# Allegro board RK3588S_Tablet_Demo_LP4XD200P232SD10H2_V11_20220218.brd (continued)
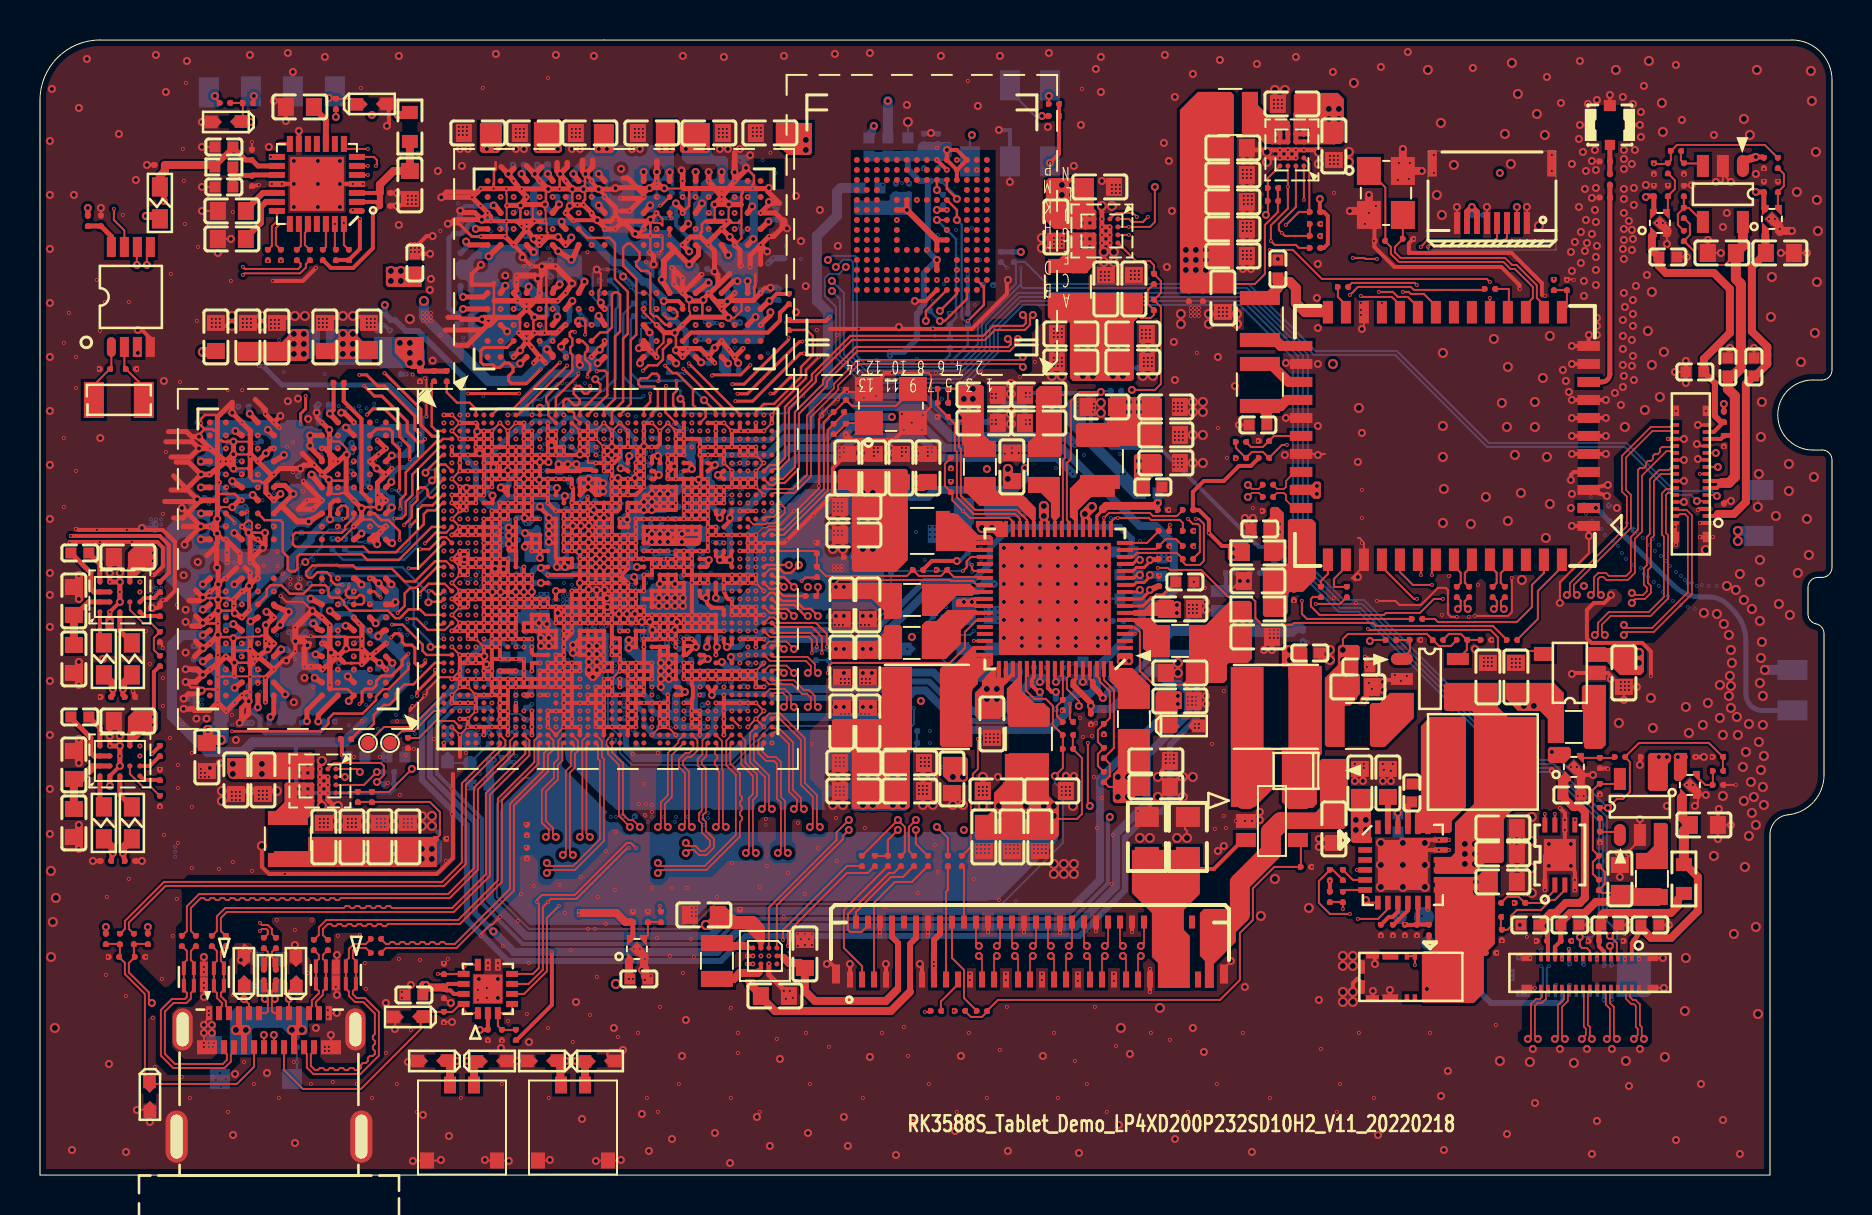
[diagram p0: board, top side]
## Copper pours and planes (outline as drawn; the poured copper is in the pictures) (continued)
VCC_SYSIN on TOP (solid shape): 64.09,24.92 64.09,24.92 64.09,21.44 64.09,21.44 64.09,21.05 63.84,20.8 63.84,18.55 63.64,18.35 62.39,18.35 62.09,18.65 62.09,21.38 62.42,21.38 62.42,25.38 62.49,25.45 64.09,25.45
VCC_SYSIN on TOP (solid shape): 81.54,21 81.54,20.9 81.54,20.7 81.39,20.55 81.39,19.3 81.29,19.2 80.49,19.2 80.39,19.3 80.39,21 80.49,21.1 81.44,21.1
VCC_SYSIN on TOP (solid shape): 63.37,26.33 63.37,25.72 63.39,25.72 63.39,25.55 63.49,25.45 63.99,25.45 64.09,25.35 64.09,24.8 62.42,24.8 62.42,25.43 62.09,25.43 62.09,26.25 62.14,26.3 62.15,26.31 62.34,26.5 63.19,26.5
VCC_SYSIN on TOP (solid shape): 47.65,25.26 47.76,25.28 47.82,25.19 47.82,24.87 48.36,24.87 48.46,24.8 48.43,24.69 48.19,24.45 48.19,23 47.99,22.8 46.89,22.8 46.75,22.95 46.75,24.11 47.09,24.45 47.09,24.7
VCC_SYSIN on TOP (solid shape): 72.89,23.4 73.39,22.9 74.79,22.9 74.89,22.8 74.89,18.4 74.79,18.3 74.59,18.31 74.55,18.3 73.69,18.3 73.35,17.96 73.29,17.96 73.29,17.9 73.19,17.8 73.19,16.75 73.19,16.7 73.19,16.66 73.19,15.7 73.09,15.6 72.24,15.6 71.9,15.26 71.89,15.25 71.7,15.06 69.74,15.06 69.74,15.9 70.54,15.9 70.74,16.1 70.74,17.14 70.75,17.14 70.75,17.61 71.39,18.25 71.45,18.25 71.45,18.31 71.69,18.55 71.69,23.1 71.59,23.2 70.29,23.2 70.19,23.3 70.19,24.5 70.29,24.6 72.89,24.6
VCC_SYSIN on BOTTOM (solid shape): 46.79,28.8 46.79,27.7 46.59,27.5 45.79,27.5 45.59,27.7 45.59,28.8 45.69,28.9 46.69,28.9
VCC_SYSIN on POWER05: 57.09,20.3 57.09,9.75 21.54,9.75 13.94,17.35 13.94,21.35 6.44,21.35 6.44,31.55 2.34,31.55 2.34,14.75 4.84,14.75 4.84,6.05 4.99,5.9 73.29,5.9 73.29,11.85 81.49,11.85 81.49,23.35 73.99,23.35 69.24,28.1 69.24,53.55 50.79,53.55 50.79,48.75 61.39,48.75 61.39,36.1 44.79,36.1 43.54,34.85 43.54,20.65 44.49,19.7 49.69,19.7 50.29,20.3
VCCIO_FLASH on BOTTOM (solid shape): 45.59,51.55 45.59,50.95 45.34,50.7 43.39,50.7 43.39,51.2 43.79,51.2 43.89,51.3 43.89,51.5 44.04,51.65 45.49,51.65
VCCIO_WL on TOP (solid shape): 62.19,33.1 62.19,30.9 61.99,30.7 61.19,30.7 61.19,32.6 61.49,32.9 61.49,33.3 61.59,33.4 61.89,33.4
VCCIO_WL on TOP (solid shape): 64.04,34.6 64.04,33.9 63.94,33.8 63.69,33.8 63.49,34 62.49,34 62.49,34.5 62.59,34.5 62.59,34.52 63.58,34.52 63.74,34.68 63.97,34.68
VDD2_DDR_S3 on TOP (solid shape): 28.69,51.2 28.59,51.1 27.79,51.1 27.69,51.2 27.69,52.55 28.69,52.55
VDD2_DDR_S3 on TOP (solid shape): 31.74,51.2 31.64,51.1 30.94,51.1 30.79,51.25 30.79,52.7 31.74,52.7
VDD2_DDR_S3 on TOP (solid shape): 13.44,42.15 13.44,40.85 13.29,40.7 9.89,40.7 9.89,41.65 12.09,41.65 12.74,42.3 13.29,42.3
VDD2_DDR_S3 on TOP (solid shape): 47.19,39.4 47.19,37 47.49,36.7 47.79,36.7 47.79,35.9 46.39,35.9 46.39,36.25 46.09,36.55 46.09,37.9 45.89,38.1 45.89,39.4 45.99,39.5 47.09,39.5
VDD2_DDR_S3 on BOTTOM (solid shape): 13.99,41.2 13.59,40.8 12.49,40.8 12.39,40.9 12.39,42.15 12.54,42.3 13.99,42.3
VDD2_DDR_S3 on BOTTOM (solid shape): 27.29,40.9 27.79,40.9 27.99,40.7 27.99,40.45 27.74,40.2 26.69,40.2 26.69,41 27.19,41
VDD2_DDR_S3 on BOTTOM (solid shape): 27.09,45.9 27.09,44.9 26.73,44.9 26.73,44.91 26.6,44.93 26.48,44.91 26.47,44.9 26.34,44.9 26.14,44.7 26.14,44.5 25.84,44.5 25.84,44.84 25.86,44.92 25.84,45.01 25.84,45.65 25.86,45.73 25.84,45.82 25.84,46.3 26.69,46.3
VDD2_DDR_S3 on BOTTOM (solid shape): outline of 191 points within 11.84,27.35 17.94,29.65
VDD2_DDR_S3 on BOTTOM (solid shape): outline of 520 points within 26.59,44.05 33.64,51.5
VDD2_DDR_S3 on BOTTOM (solid shape): outline of 825 points within 6.24,28.1 17.74,35.15
VDD2_DDR_S3 on S06: 42.54,40.1 44.74,37.9 48.59,37.9 48.79,38.1 48.79,44.5 43.79,49.5 37.99,49.5 35.39,52.1 12.09,52.1 8.69,48.7 8.69,35.15 7.49,33.95 7.49,23.6 9.09,22 13.79,22 14.49,22.7 14.49,23.55 18.39,27.45 18.39,32.85 14.79,36.45 14.79,45.7 14.84,45.75 20.99,45.75 20.99,42.95 23.84,40.1
VDD_CPU_BIG0_S0 on TOP (solid shape): 55.14,43.1 54.69,42.65 54.69,39.8 54.59,39.7 51.64,39.7 51.49,39.85 51.5,39.95 51.49,40 51.49,41.31 51.5,41.35 51.49,41.4 51.49,42.6 51.39,42.7 50.59,42.7 50.39,42.9 50.39,44 50.49,44.1 52.41,44.1 55.14,44.1
VDD_CPU_BIG0_S0 on BOTTOM (solid shape): 54.49,41.4 54.49,39.9 54.29,39.7 51.99,39.7 51.79,39.9 51.79,41.4 51.99,41.6 54.29,41.6
VDD_CPU_BIG0_S0 on BOTTOM (solid shape): 32.79,34.4 32.79,34.3 32.62,34.13 32.07,34.13 31.59,33.65 31.59,33.4 31.29,33.1 31.14,33.11 30.94,33.11 30.74,33.11 30.54,33.11 30.51,33.1 30.29,33.1 30.19,33 30.19,31.85 30.09,31.75 29.04,31.75 29.04,32.88 29.07,32.88 29.07,32.98 29.19,33.1 29.29,33.1 29.59,33.1 29.69,33.2 29.7,33.4 29.69,33.44 29.69,34.1 29.79,34.2 29.93,34.2 30.19,34.2 30.44,34.45 30.64,34.45 30.84,34.45 30.89,34.5 32.69,34.5
VDD_CPU_BIG0_S0 on GND02 (solid shape): 31.89,33.75 31.89,33.35 31.64,33.1 30.04,33.1 30.04,33.75 30.49,34.2 31.44,34.2
VDD_CPU_BIG0_S0 on S03 (solid shape): 31.89,33.75 31.89,33.1 30.04,33.1 30.04,33.75 30.49,34.2 31.44,34.2
VDD_CPU_BIG0_S0 on S08 (solid shape): 31.99,33.9 31.99,33.44 31.99,33.4 31.99,33.2 31.89,33.1 31.69,33.11 31.66,33.1 31.43,33.1 31.39,33.11 31.14,33.11 31.11,33.1 30.33,33.1 30.29,33.11 30.09,33.1 29.99,33.2 29.99,33.7 30.39,34.1 30.39,34.2 31.69,34.2
VDD_CPU_BIG0_S0 on POWER04: 29.89,33.8 29.69,33.6 29.19,33.6 28.89,33.3 28.89,32.7 29.09,32.5 29.59,32.5 29.74,32.65 42.59,32.65 46.69,36.75 53.89,36.75 54.39,37.25 54.39,44.55 54.04,44.9 40.89,44.9 40.69,45.1 39.19,45.1 38.19,44.1 38.19,37.9 35.99,35.7 34.19,35.7 33.69,35.2 30.39,35.2 29.89,34.7
VDD_CPU_BIG0_S0 on POWER05: 29.84,38 31.44,38 32.79,39.35 35.79,39.35 36.57,40.13 36.57,41.33 37.14,41.9 37.14,42.65 37.44,42.95 39.74,42.95 40.94,44.15 53.79,44.15 54.34,43.6 54.34,39.45 51.19,36.3 44.49,36.3 43.29,35.1 43.29,31.45 43.09,31.25 33.44,31.25 33.44,32.45 29.34,32.45 28.89,32.9 28.89,33.4 29.04,33.55 29.64,33.55 29.84,33.75
VDD_CPU_BIG0_S0 on S06: 32.09,33.6 31.49,34.2 30.49,34.2 29.9,33.61 29.4,33.4 28.99,33.4 28.94,33.35 28.94,32.75 29.04,32.65 29.49,32.65 29.74,32.9 31.89,32.9 32.09,33.1
VDD_CPU_BIG1_MEM_S0 on BOTTOM (solid shape): 46.69,32.6 46.59,32.5 46.59,31.6 46.49,31.5 45.79,31.5 45.69,31.6 45.69,33.85 46.69,33.85
VDD_CPU_BIG1_S0 on TOP (solid shape): 59.69,54 59.69,44.2 59.59,44.1 57.09,44.1 56.99,44.2 56.99,53.25 57.89,54.15 59.54,54.15
VDD_CPU_BIG1_S0 on BOTTOM (solid shape): 49.39,33.8 49.39,33 49.29,32.9 47.29,32.9 47.19,33 47.19,33.8 47.29,33.9 49.29,33.9
VDD_CPU_BIG1_S0 on BOTTOM (solid shape): 31.69,32.5 31.73,32.5 33.09,32.5 33.09,31.75 32.82,31.48 32.82,31.43 32.69,31.3 32.69,31 32.59,30.9 32.49,30.9 32.39,31 32.39,31.3 32.24,31.45 30.54,31.45 30.19,31.1 30.09,31.1 29.99,31.2 29.99,31.32 30.01,31.37 30.02,31.43 30.39,31.8 30.39,32.1 30.49,32.2 30.69,32.2 30.99,32.5 31.65,32.5
VDD_CPU_BIG1_S0 on POWER04: 30.69,32.5 30.39,32.2 30.39,29.15 32.54,27 42.89,27 43.99,25.9 52.89,25.9 53.99,27 63.09,27 66.59,30.5 66.59,45.6 64.69,47.5 56.04,47.5 54.54,46 54.54,37.15 53.99,36.6 46.79,36.6 42.69,32.5
VDD_CPU_LIT_S0 on TOP (solid shape): 43.39,35.2 43.39,30.75 42.79,30.15 40.69,30.15 40.59,30.25 40.59,34.05 40.39,34.25 39.89,34.25 39.89,35.2 39.99,35.3 43.29,35.3
VDD_CPU_LIT_S0 on BOTTOM (solid shape): outline of 690 points within 30.19,27.12 42.19,34.3
VDD_CPU_LIT_S0 on GND02 (solid shape): 32.69,28.3 30.79,28.3 30.79,29 32.69,29
VDD_CPU_LIT_S0 on S03 (solid shape): 32.69,28.3 30.79,28.3 30.79,29 32.69,29
VDD_CPU_LIT_S0 on S08 (solid shape): outline of 328 points within 30.54,27.65 41.84,34.55
VDD_DDR_S0 on TOP (solid shape): 43.09,27.4 43.09,25.8 39.59,25.8 39.59,26.37 39.6,26.4 39.59,26.44 39.59,26.7 41.79,26.7 42.19,27.1 42.19,27.4 42.29,27.5 42.99,27.5
VDD_DDR_S0 on BOTTOM (solid shape): 28.39,34.78 28.39,34.76 28.79,34.35 28.79,33.9 28.19,33.9 27.99,34.1 27.54,34.1 27.19,34.45 27.19,34.5 26.89,34.5 26.79,34.6 26.79,34.8 26.99,35 27.29,35 27.34,35.05 27.66,35.05 27.66,35.05 28.39,35.05
VDD_DDR_S0 on BOTTOM (solid shape): 24.09,32.3 24.29,32.3 24.33,32.3 24.59,32.3 24.79,32.5 24.89,32.5 25.04,32.36 25.04,31.34 25.09,31.29 25.09,31.15 25.19,31.06 25.19,30.89 25.19,30.82 25.19,30.7 25.04,30.71 25,30.7 24.22,30.7 24.22,31.3 24.19,31.3 24.09,31.4 24.09,31.53 24.18,31.86 23.89,32.06 23.84,32.06 23.75,32.15 23.75,32.19 23.75,32.2 23.79,32.32 23.79,32.44 23.79,32.5 23.89,32.5
VDD_DDR_S0 on POWER04: 23.44,34.1 23.44,31.2 24.04,30.6 26.19,30.6 26.49,30.9 26.49,32.7 27.39,33.6 27.89,33.6 28.39,34.1 28.39,35.1 28.09,35.4 27.29,35.4 27.19,35.3 24.64,35.3
VDD_DDR_S0 on S06: 35.89,26.1 34.99,27 34.99,31.5 34.94,31.55 34.94,31.6 31.59,34.95 28.79,34.95 28.64,34.8 28.64,34.1 28.39,33.85 26.64,33.85 26.64,38.65 27.89,39.9 36.24,39.9 38.59,37.55 38.59,31.2 41.74,28.05 41.74,26.25 41.59,26.1 ; 1 cut-out
VDD_DDR_S0 on GND07: 23.94,30.45 23.29,31.1 23.29,34.2 24.54,35.45 27.09,35.45 27.19,35.55 28.19,35.55 28.54,35.2 28.54,34 27.99,33.45 27.49,33.45 26.64,32.6 26.64,30.75 26.34,30.45
VDD_GPU_S0 on TOP (solid shape): 43.59,21.3 43.49,21.2 43.49,18.4 43.39,18.3 40.69,18.3 40.59,18.4 40.59,21.1 40.55,21.15 40.55,21.21 39.69,21.21 39.59,21.3 39.59,22.7 39.69,22.8 40.7,22.8 40.7,22.8 40.84,22.8 40.84,22.8 42,22.8 42,22.81 42.09,22.9 42.09,25.4 43.59,25.4
VDD_GPU_S0 on BOTTOM (solid shape): 42.69,20.8 43.09,20.4 43.39,20.4 43.39,18.3 43.29,18.2 40.69,18.2 40.59,18.3 40.59,20.3 40.54,20.3 40.54,22.25 42.69,22.25
VDD_GPU_S0 on BOTTOM (solid shape): outline of 302 points within 26.29,18.25 43.29,27.5
VDD_GPU_S0 on GND02 (solid shape): 27.99,25.05 27.69,24.75 27.49,24.75 27.24,25 27.24,25.17 27.25,25.2 27.24,25.24 27.24,26.6 27.99,26.6
VDD_GPU_S0 on S03 (solid shape): 27.2,26.7 27.41,26.6 27.64,26.66 27.8,26.63 27.94,26.7 28.29,26.7 28.49,26.5 28.49,26.3 28.39,26.2 28.39,25.61 28.3,25.48 28.31,25.31 28.28,25.26 28.27,25.2 28.27,25.18 28.14,25.05 28.13,25.05 28.02,24.98 27.95,24.87 27.95,24.86 27.92,24.83 27.91,24.83 27.77,24.83 27.74,24.8 27.44,24.8 27.29,24.95 27.29,25.9 27.19,26 26.79,26 26.69,25.9 26.59,25.9 26.45,26.05 26.47,26.08 26.5,26.22 26.44,26.36 26.45,26.4 26.44,26.45 26.48,26.52 26.5,26.6 26.53,26.67 26.6,26.7
VDD_GPU_S0 on S08 (solid shape): 28.04,25.05 27.79,24.8 27.59,24.8 27.29,25.1 27.29,26.5 28.04,26.5
VDD_GPU_S0 on POWER05: 27.09,26.6 27.09,21.65 30.44,18.3 34.19,18.3 34.59,17.9 43.34,17.9 43.39,17.95 43.39,23.6 42.89,24.1 30.69,24.1 29.49,25.3 29.49,26.4 29.19,26.7 27.19,26.7
VDD_LOGIC_S0 on TOP (solid shape): 50.44,18.95 50.74,18.66 50.74,18.6 50.8,18.6 50.94,18.45 50.94,16.95 50.74,16.75 50.6,16.75 50.6,16.76 49.39,16.76 49.39,16.75 49.2,16.75 49.2,16.76 47.99,16.76 47.99,16.75 47.8,16.75 47.8,16.76 46.84,16.76 46.74,16.85 46.74,18 47.39,18 47.69,18.3 47.69,18.6 47.7,18.6 47.7,19.11 48.24,19.65 48.25,19.9 48.24,19.95 48.24,21.05 50.44,21.05
VDD_LOGIC_S0 on BOTTOM (solid shape): outline of 901 points within 23.04,12.5 50.89,28.7
VDD_LOGIC_S0 on S08 (solid shape): 50.95,17.85 50.8,17.7 47.75,17.7 47.6,17.85 47.6,18.7 50.95,18.7
VDD_LOGIC_S0 on POWER05: 26.94,27.7 26.19,27.7 25.69,28.2 24.19,28.2 22.19,26.2 22.19,16.6 24.89,13.9 49.79,13.9 51.04,15.15 51.04,19.15 50.84,19.35 44.49,19.35 44.49,18.3 43.94,17.75 34.34,17.75 34.09,18 30.49,18 26.94,21.55
VDD_NPU_S0 on TOP (solid shape): 19.84,15.41 19.84,15.4 11.79,15.4 11.69,15.5 11.69,16.19 13.41,16.19 13.41,16.9 19.84,16.9
VDD_NPU_S0 on BOTTOM (solid shape): 20.09,16.7 20.09,15.7 19.89,15.5 16.14,15.5 16.04,15.6 16.04,16.7 16.14,16.8 19.99,16.8
VDD_NPU_S0 on BOTTOM (solid shape): 29.69,26.8 29.69,26.6 30.04,26.25 31.3,26.25 31.37,26.25 31.61,26.01 31.83,26.01 31.84,26.01 31.95,25.99 32.05,26.01 32.08,26.01 32.19,25.9 32.19,25.78 32.17,25.71 32.04,25.67 31.96,25.65 31.91,25.6 31.79,25.6 31.58,25.4 31.59,25.37 31.59,25.26 31.59,24.9 31.64,24.86 31.67,24.8 31.89,24.8 31.99,24.7 31.99,24.5 31.77,24.5 31.57,24.3 31.57,24.19 31.44,24.07 31.44,24.05 31.39,24 31.19,24 30.85,24.35 30.82,24.4 30.54,24.4 30.45,24.5 30.45,25.05 30,25.5 29.49,26 29.44,26 29.2,26.25 29.2,26.8 29.29,26.9 29.59,26.9
VDD_NPU_S0 on GND02 (solid shape): 31.64,25.7 31.64,24.6 31.26,24.21 31.24,24.2 30.94,24.2 30.84,24.3 30.85,24.4 30.84,24.44 30.84,24.77 30.85,24.8 30.84,24.84 30.84,25.57 30.85,25.6 30.84,25.8 31.54,25.8
VDD_NPU_S0 on S03 (solid shape): 31.62,24.73 31.19,24.3 30.89,24.3 30.89,25.7 31.62,25.7
VDD_NPU_S0 on S06: 18.89,15.7 19.69,14.9 25.69,14.9 25.89,14.7 33.09,14.7 33.49,15.1 33.49,22.75 32.09,24.15 32.09,25.8 31.94,25.95 30.59,25.95 29.59,26.95 28.24,26.95 27.99,26.7 27.99,24.7 24.39,21.1 19.49,21.1 18.89,20.5
VDD_NPU_S0 on S08: 31.79,24.8 31.79,25.7 31.69,25.8 30.59,25.8 30.49,25.7 30.49,25.15 30.52,25 30.52,24.6 30.49,24.46 30.49,24.25 30.52,24.1 30.49,23.96 30.49,23.45 30.52,23.3 30.49,23.16 30.49,22.95 30.52,22.8 30.49,22.66 30.49,22.03 29.36,20.9 24.69,20.9 24.67,20.9 24.65,20.89 23.71,19.95 17.34,19.95 17.19,19.8 17.19,19.6 16.99,19.4 15.49,19.4 15.29,19.2 15.29,18.61 15.32,18.45 15.29,18.3 15.29,18.11 15.32,17.95 15.29,17.8 15.29,17.61 15.32,17.45 15.29,17.3 15.29,15.84 15.3,15.83 15.31,15.81 15.5,15.62 15.52,15.61 15.54,15.6 22.5,15.6 22.52,15.61 22.54,15.62 25.27,18.35 25.52,18.35 25.59,18.37 25.64,18.38 32.17,18.38 33.29,19.5 33.29,22 32.99,22.3 32.99,23.6
VDD_VDENC_S0 on TOP (solid shape): 19.09,44.4 17.39,44.4 17.29,44.5 17.29,45.4 19.09,45.4
VDD_VDENC_S0 on TOP (solid shape): 54.59,38.9 54.64,38.9 55.99,38.9 56.09,38.8 56.09,36.55 55.99,36.45 52.09,36.45 52.04,36.4 51.89,36.4 51.79,36.5 51.79,37.5 51.89,37.6 53.29,37.6 53.49,37.8 53.49,38.9 54.55,38.9
VDD_VDENC_S0 on BOTTOM (solid shape): 54.55,38.9 54.59,38.9 54.64,38.9 55.39,38.9 55.59,38.7 55.59,37.1 55.49,37 54.49,37 54.39,37.1 54.39,37.8 54.19,38 54.19,38.8 54.29,38.9
VDD_VDENC_S0 on BOTTOM (solid shape): 25.99,33.5 25.99,33.29 25.99,33.25 25.99,32.72 25.99,32.68 25.99,32.64 25.99,32.11 25.99,32.07 25.99,32.03 25.99,31.5 25.99,31.46 25.99,31.42 25.99,30.89 25.99,30.85 25.99,30.7 26.09,30.6 26.12,30.6 26.14,30.6 26.21,30.56 26.29,30.55 26.4,30.55 26.47,30.56 26.53,30.6 26.99,30.6 27.09,30.5 27.09,30.45 27.09,30.3 26.57,30.3 26.47,30.2 25.79,30.2 25.34,30.65 25.35,30.85 25.34,30.9 25.34,31.25 25.19,31.4 25.19,33 24.99,33.2 24.69,33.2 24.49,33.4 24.49,33.6 24.54,33.65 25.84,33.65
VDD_VDENC_S0 on S03 (solid shape): 14.44,46.6 17.59,46.6 18.29,45.9 18.29,44.6 17.69,44 13.09,44 12.69,44.4 12.69,47.1 12.79,47.2 13.84,47.2
VDD_VDENC_S0 on POWER05: 54.69,39.25 54.19,38.75 54.19,36.25 61.24,36.25 61.24,48.6 50.64,48.6 50.64,53.55 49.64,53.55 49.64,55.4 9.84,55.4 6.59,52.15 6.59,46.4 14.04,46.4 19.54,51.9 35.64,51.9 36.94,50.6 36.94,46.6 39.29,44.25 54.69,44.25
VDD_VDENC_S0 on S06: 20.64,44.95 20.04,45.55 15.09,45.55 14.99,45.45 14.99,36.55 18.54,33 18.54,27.55 18.79,27.3 24.69,27.3 26.49,29.1 26.49,38.8 25.44,39.85 23.64,39.85 20.64,42.85
VDDA_0V75_S0 on BOTTOM (solid shape): 33.29,24.7 33.29,24.5 33.09,24.3 32.89,24.3 32.79,24.2 32.79,23.4 32.85,23.35 32.85,23.34 32.9,23.26 32.97,23.22 32.99,23.2 33.41,23.2 33.44,23.2 33.59,23.2 34.19,23.8 35.39,23.8 35.49,23.7 35.49,23.4 35.29,23.2 34.29,23.2 33.79,22.7 33.59,22.7 33.29,23 32.89,23 32.63,23.26 32.64,23.29 32.64,23.39 32.62,23.47 32.63,23.51 32.64,23.56 32.64,23.78 32.63,23.84 32.6,23.9 32.59,23.91 32.6,24.15 32.59,24.4 32.49,24.5 32.39,24.5 32.29,24.6 32.29,24.7 32.39,24.8 33.19,24.8
VDDA_0V75_S0 on S08 (solid shape): 25.19,24.6 25.19,24.3 25.09,24.2 24.89,24.2 24.29,23.6 24.29,21.6 23.56,20.86 23.51,20.83 23.48,20.79 23.19,20.5 22.39,20.5 22.29,20.6 22.29,20.9 22.59,21.2 23.29,21.2 23.44,21.35 23.46,21.36 23.64,21.45 23.74,21.64 23.74,21.65 24.09,22 24.09,24.2 24.11,24.22 24.12,24.22 24.24,24.3 24.32,24.43 24.33,24.44 24.39,24.5 24.39,24.6 24.33,24.67 24.32,24.68 24.24,24.8 24.12,24.88 24.11,24.89 23.99,25 23.95,25 23.94,25.01 23.79,25.06 23.65,25.01 23.64,25 23.55,25 23.54,25.01 23.42,25.05 23.3,25.04 23.27,25.03 23.09,25.2 23.09,25.3 23.19,25.4 24.39,25.4
VDDA_0V85_S0 on BOTTOM (solid shape): 35.69,35 35.39,34.7 33.89,34.7 33.69,34.9 33.69,35 33.86,35.17 33.9,35.18 33.93,35.2 35.69,35.2
VDDQ_DDR on TOP (solid shape): 23.09,51.3 22.89,51.1 22.09,51.1 21.99,51.2 21.99,52.6 23.09,52.6
VDDQ_DDR on TOP (solid shape): 26.09,51.2 25.99,51.1 24.79,51.1 24.69,51.2 24.69,52.65 26.09,52.65
VDDQ_DDR on TOP (solid shape): 33.49,51.2 33.39,51.1 32.09,51.1 31.99,51.2 31.99,52.4 32.19,52.6 33.49,52.6
VDDQ_DDR on TOP (solid shape): 16.09,41.7 16.89,41.7 16.89,40.8 13.79,40.8 13.79,41.6 14.64,41.6 15.14,42.1 15.69,42.1
VDDQ_DDR on BOTTOM (solid shape): 15.89,41.95 16.59,41.25 16.59,40.5 14.79,40.5 14.29,41 14.29,42.2 14.39,42.3 15.89,42.3
VDDQ_DDR on BOTTOM (solid shape): 8.8,25.9 8.82,25.9 8.84,25.89 9.93,24.8 9.94,24.78 9.94,24.76 9.94,23.59 9.94,23.58 9.93,23.56 9.44,23.07 9.44,22.73 9.44,22.71 9.43,22.7 9.34,22.5 9.43,22.3 9.44,22.28 9.44,22.26 9.44,21.9 9.42,21.78 9.43,21.69 9.42,21.66 9.41,21.64 9.36,21.59 9.35,21.58 9.33,21.58 8.76,21.58 8.74,21.58 8.73,21.59 8.16,22.16 8.15,22.18 8.14,22.19 8.14,22.36 8.15,22.38 8.16,22.4 8.2,22.44 8.22,22.45 8.33,22.44 8.46,22.45 8.59,22.55 8.69,22.68 8.7,22.82 8.69,22.91 8.69,24.92 8.51,25.1 8.5,25.12 8.41,25.28 8.26,25.37 8.24,25.38 8.14,25.48 7.96,25.66 7.95,25.68 7.94,25.69 7.94,25.85 7.96,25.89 7.99,25.9
VDDQ_DDR on BOTTOM (solid shape): outline of 269 points within 11.49,22.55 17.74,26.45
VDDQ_DDR on BOTTOM (solid shape): outline of 233 points within 32.09,40.05 36.24,51.5
VDDQ_DDR on BOTTOM (solid shape): outline of 305 points within 20.79,40.35 25.41,46.5
VDDQ_DDR on BOTTOM (solid shape): outline of 183 points within 7.84,34.35 18.74,37.75
VDDQ_DDR on POWER05: 17.89,33.7 17.89,25.5 13.89,21.5 7.09,21.5 6.59,22 6.59,46.25 14.14,46.25 19.49,51.6 35.34,51.6 36.09,50.85 36.09,40.2 35.69,39.8 24.29,39.8 21.89,42.2 18.04,42.2 16.74,40.9 16.74,38.85 18.49,37.1 18.49,34.3
VDDQ_DDR_S0 on TOP (solid shape): 19.19,40.3 18.54,40.3 17.74,41.1 17.74,41.75 17.89,41.9 19.19,41.9
VDDQ_DDR_S0 on TOP (solid shape): 54.79,18.95 54.44,18.6 53.74,18.6 53.64,18.7 53.64,19.5 54.79,19.5
VDDQ_DDR_S0 on TOP (solid shape): 55.49,19.95 55.49,19.9 55.49,19.86 55.49,18.95 53.84,18.95 53.64,19.15 53.64,20.05 53.89,20.3 53.89,22.25 55.49,22.25
VDDQ_DDR_S0 on BOTTOM (solid shape): 26.79,35.65 27.24,35.65 27.29,35.7 27.69,35.7 27.69,35.3 27.59,35.2 26.29,35.2 26.09,35 25.79,35 25.79,36.1 26.34,36.1
VDDQ_DDR_S0 on BOTTOM (solid shape): 19.24,41.25 19.24,40.5 19.09,40.35 18.08,40.35 18.04,40.36 18,40.35 17.04,40.35 16.88,40.51 16.88,41.01 16.89,41.03 16.89,41.3 16.69,41.5 16.69,41.9 18.59,41.9
VDDQ_DDR_S0 on BOTTOM (solid shape): 23.59,31.79 23.59,31.75 23.59,31.6 23.39,31.4 23.19,31.4 23.09,31.3 23.09,31.1 22.99,31 22.59,31 22.49,31.1 22.49,31.35 22.55,31.5 22.49,31.66 22.49,32.05 22.6,32.24 22.51,32.44 22.49,32.46 22.49,32.5 22.6,32.6 22.65,32.6 22.84,32.6 22.99,32.75 22.99,32.8 23.04,32.85 23.59,32.85
VDDQ_DDR_S0 on POWER05: 21.69,9.9 14.09,17.5 14.09,21.4 18.04,25.35 18.04,33.05 18.64,33.05 18.64,37.25 16.89,39 16.89,40.85 18.09,42.05 21.84,42.05 24.24,39.65 28.39,39.65 28.39,35.4 27.29,35.4 27.29,34 26.39,33.1 26.39,28.5 26.24,28.35 24.09,28.35 22.04,26.3 22.04,16.85 22.09,16.8 22.09,16.5 24.84,13.75 49.89,13.75 51.19,15.05 51.19,19.7 51.64,20.15 56.84,20.15 56.94,20.05 56.94,10.1 56.74,9.9
FLASH_LED on TOP (solid shape): 80.19,26.2 80.19,25.15 80.04,25 78.99,25 78.34,25.65 77.29,25.65 77.29,26.35 80.04,26.35
LEDA on TOP (solid shape): 59.79,11.65 58.69,10.55 58.69,9.35 58.24,9.35 58.24,10.7 57.99,10.95 57.99,13.1 58.19,13.3 59.79,13.3
LEDA on TOP (solid shape): 65.39,20.71 65.39,19.46 65.39,19.46 65.39,17.5 65.19,17.3 61.94,17.3 61.94,18.1 61.97,18.13 63.77,18.13 63.99,18.35 63.99,18.49 64,18.49 64,20.71 64.09,20.8 65.29,20.8
LEDK on TOP (solid shape): 57.99,14.05 57.19,13.25 57.19,12.25 57.49,11.95 57.49,9.35 55.89,9.35 55.89,10.6 55.59,10.9 55.59,13.1 54.59,14.1 54.59,16.25 57.99,16.25
PMIC_SW1 on TOP (solid shape): 46.63,26.29 46.74,26.31 46.81,26.22 46.81,25.88 47.64,25.88 47.64,25.55 46.89,24.8 46.89,24.55 46.62,24.28 46.62,24.19 46.57,24.14 46.57,22.91 46.62,22.86 46.62,21.43 46.59,21.4 45.09,21.4 44.99,21.5 44.99,25.3 45.12,25.43 45.77,25.43
PMIC_SW2 on TOP (solid shape): 46.89,31.9 47.49,31.9 47.59,31.81 47.6,31.76 47.55,31.72 46.81,31.72 46.81,31.3 46.69,31.3 46.59,31.2 44.94,31.2 44.84,31.3 44.84,33.1 45.69,33.1
PMIC_SW3 on TOP (solid shape): 49.09,24.75 49.09,24.75 49.09,24.2 49.69,23.6 50.19,23.6 50.49,23.3 50.49,22.5 50.39,22.4 48.49,22.4 48.39,22.5 48.39,23 48.35,23.05 48.35,24.31 48.79,24.75 48.9,24.75 48.9,24.87 49.09,24.87
PMIC_SW4 on TOP (solid shape): 53.74,33.9 52.44,33.9 51.84,33.3 51.84,33.05 51.84,32.74 51.71,32.74 51.7,32.75 51.7,32.86 51.59,32.86 51.54,32.9 51.54,34.3 52.14,34.9 53.74,34.9
PMIC_SW5 on TOP (solid shape): 46.69,28.2 46.81,28.2 46.81,28.01 46.69,28.01 46.69,27.9 46.04,27.25 46.04,26.55 45.29,25.8 44.09,25.8 44.09,27.5 44.29,27.7 44.89,27.7 44.99,27.8 45.05,27.8 45.05,27.86 45.39,28.2 46.69,28.2
PMIC_SW6 on TOP (solid shape): 47.89,34.15 47.99,34.15 47.99,34.15 49,34.15 49.79,33.35 49.79,33 49.79,32.95 49.79,32.86 49.79,32.86 49.79,32.74 49.6,32.74 49.6,32.86 49.49,32.86 48.89,33.45 47.04,33.45 46.34,34.15 46.34,34.6 47.44,34.6
PMIC_SW7 on TOP (solid shape): 46.69,29.31 46.69,29.25 46.69,29.25 46.69,29.06 46.69,29.05 45.84,29.05 44.79,28 44.19,28 44.19,29.5 46.49,29.5
PMIC_SW8 on TOP (solid shape): 55.84,27.4 56.49,27.4 56.49,25.95 55.64,25.95 55.19,26.4 55.19,27.3 54.99,27.5 54.89,27.5 54.8,27.6 54.8,27.66 54.68,27.66 54.68,27.8 55.44,27.8
PMIC_SW9 on TOP (solid shape): 53.84,25.3 54.54,25.3 55.44,24.4 55.44,23.5 53.94,23.5 53.94,24.35 53.49,24.8 53.49,25.55 53.59,25.55
PMIC_SW10 on TOP (solid shape): 50.94,32.86 50.84,32.86 50.84,32.74 50.65,32.74 50.65,32.86 50.64,32.86 50.64,32.9 50.6,32.95 50.59,33 50.59,33.41 50.6,33.45 50.59,33.65 49.84,34.4 49.59,34.4 49.59,34.75 50.94,34.75
N26125229 on TOP (solid shape): 81.39,17.5 81.39,15.3 80.29,15.3 80.29,16.05 80.69,16.45 80.69,17.6 81.29,17.6
N29617073 on TOP (solid shape): 61.18,21.38 61.49,21.38 61.69,21.18 61.69,19.35 60.74,18.4 59.54,18.4 59.54,25.4 61.18,25.4
N29621076 on TOP (solid shape): 78.29,21.5 78.09,21.3 77.29,21.3 77.19,21.4 77.19,21.6 77.15,21.65 77.15,23.29 77.09,23.29 77.09,24.4 77.19,24.5 78.29,24.5
N29751708 on BOTTOM (solid shape): 80.54,9.05 80.39,8.9 78.84,8.9 78.84,10.47 78.85,10.5 78.84,10.54 78.84,11.1 80.54,11.1
N30544653 on TOP (solid shape): 71.29,18.4 70.59,17.7 70.59,17.2 70.49,17.1 68.74,17.1 68.74,18.05 68.92,18.23 69.02,18.23 69.02,18.33 69.04,18.35 69.04,22.44 69.5,22.9 71.29,22.9
N30961579 on TOP (solid shape): 12.79,18.75 13.69,18.75 13.69,18.45 13.69,18.3 13.39,18 13.39,17.5 11.69,17.5 11.69,17.9 12.29,18.5 12.29,19.45 12.79,19.45
N30962090 on TOP (solid shape): 68.69,22.85 67.24,21.4 66.59,21.4 66.49,21.5 66.49,23.47 66.53,23.54 66.59,23.6 66.99,23.6 67.49,24.1 68.69,24.1
N30962978 on TOP (solid shape): 60.89,53.5 61.34,53.06 61.34,52.95 61.45,52.95 61.49,52.9 62.24,52.9 62.49,52.65 62.49,52.4 61.59,52.4 61.59,51.55 61.34,51.56 61.24,51.55 60.9,51.9 60.9,51.96 60.84,51.96 60.79,52 60.19,52 60.09,52.1 60.09,54.15 60.89,54.15
N30963105 on TOP (solid shape): 51.99,46.3 52.69,46.3 52.69,45.7 52.39,45.4 50.69,45.4 51.49,46.2 51.49,46.9 51.59,47 51.99,47
GND on S08 (solid shape): 20.7,43.92 20.75,43.93 20.78,43.89 20.78,43.85 20.77,43.84 20.74,43.81 20.73,43.79 20.72,43.77 20.72,42.75 20.72,42.73 20.71,42.71 20.66,42.67 20.62,42.6 20.6,42.52 20.6,40.8 20.56,40.75 20.5,40.78 20.49,40.81 20.46,40.84 20.43,40.87 20.42,40.89 20.41,40.91 20.41,43.62 20.42,43.64 20.43,43.65
GND on S08 (solid shape): 18.07,27.98 18.08,27.97 18.1,27.96 18.42,27.64 18.43,27.62 18.44,27.6 18.44,27.05 18.43,27.03 18.42,27.02 18.36,26.95 18.34,26.94 18.32,26.93 18.22,26.93 18.14,26.96 18.09,26.96 17.99,26.96 17.97,26.97 17.96,26.98 17.89,27.04 17.87,27.06 17.85,27.06 17.82,27.06 17.8,27.07 17.78,27.08 17.75,27.12 17.64,27.23 17.63,27.24 17.63,27.27 17.51,27.58 17.19,27.68 17.16,27.68 17.14,27.71 17.09,27.81 17.01,27.88 16.99,27.94 17.04,27.98
GND on S08 (solid shape): 16.79,35.77 16.83,35.76 17.04,35.65 17.31,35.71 17.34,35.7 17.56,35.6 17.8,35.66 17.85,35.67 17.88,35.62 17.88,35.49 17.86,35.46 17.83,35.44 17.22,35.44 17.2,35.44 17.15,35.4 16.99,35.31 16.89,35.15 16.88,35.12 16.83,35.07 16.81,35.06 16.8,35.06 16.37,35.06 16.33,35.08 16.32,35.12 16.33,35.21 16.33,35.3 16.33,35.32 16.35,35.35 16.38,35.37 16.72,35.71 16.75,35.75
GND on S08 (solid shape): 15.56,26.94 15.62,26.94 15.64,26.88 15.59,26.65 15.68,26.44 15.69,26.41 15.68,26.37 15.65,25.91 16.1,25.78 16.13,25.78 16.16,25.77 16.24,25.68 16.25,25.66 16.26,25.64 16.26,25.23 16.26,25.19 16.28,25.14 16.27,25.08 16.22,25.07 16.13,25.09 16.03,25.1 16.01,25.1 15.99,25.11 15.22,25.88 15.21,25.9 15.21,25.92 15.21,26.4 15.21,26.42 15.24,26.44 15.43,26.6 15.48,26.84 15.49,26.86 15.5,26.88
GND on S08 (solid shape): 45.56,45.48 45.58,45.47 45.59,45.46 46.2,44.86 46.33,44.79 46.48,44.79 46.53,44.77 46.53,44.72 46.5,44.65 46.48,44.57 46.44,44.54 46.39,44.55 46.34,44.6 46.27,44.64 46.19,44.66 46.16,44.66 46.14,44.68 45.9,44.82 45.62,44.76 45.59,44.75 45.35,44.83 45.14,44.77 45.07,44.78 45.08,44.85 45.19,44.96 45.24,45.02 45.25,45.1 45.25,45.25 45.24,45.33 45.2,45.39 45.19,45.45 45.23,45.48
GND on S08 (solid shape): 24.78,43.09 24.81,43.08 24.83,43.04 24.97,42.79 25.24,42.71 25.26,42.71 25.28,42.7 25.34,42.64 25.35,42.57 25.28,42.56 25.06,42.61 24.84,42.52 24.81,42.5 24.78,42.52 24.34,42.56 24.16,42.17 24.15,42.13 24.11,42.11 23.97,42.11 23.89,42.09 23.82,42.05 23.8,42.03 23.74,42.02 23.72,42.08 23.73,42.18 23.72,42.29 23.71,42.31 23.73,42.34 23.81,42.42 23.84,42.43 24.04,42.54 24.15,42.74 24.16,42.77 24.46,43.07 24.48,43.08 24.5,43.09
GND on S08 (solid shape): 33.81,44.48 33.86,44.44 33.87,44.36 33.92,44.3 34.6,43.62 34.61,43.6 34.62,43.58 34.62,42.85 34.63,42.77 34.68,42.7 35.29,42.09 35.31,42.03 35.26,42 34.76,42 34.74,42 34.73,42.02 34.64,42.1 34.62,42.12 34.6,42.13 34.58,42.15 34.57,42.18 34.38,42.57 33.95,42.52 33.92,42.5 33.89,42.52 33.44,42.55 33.28,42.13 33.26,42.08 33.2,42.07 33.14,42.1 33.02,42.17 33.02,42.18 33.02,42.84 33.02,42.86 33.03,42.88 33.23,43.07 33.24,43.08 33.26,43.09 33.86,43.09 33.87,43.09 33.89,43.1 34.14,43.36 34.16,43.37 34.16,43.39 34.16,43.52 34.16,43.54 34.14,43.55 33.99,43.71 33.91,43.82 33.79,43.91 33.52,44.18 33.51,44.23 33.54,44.26 33.67,44.33 33.76,44.45
GND on TOP: 0.3,0.3 0.3,53.75 1.09,55.66 3,56.45 87.6,56.45 88.8,55.95 89.3,54.75 89.3,40.25 89.24,40.11 89.1,40.05 88.65,40.05 86.6,38 88.65,35.95 89.1,35.95 89.24,35.89 89.3,35.75 89.3,30.38 89.24,30.24 89.1,30.18 88.9,30.18 88.33,29.95 88.1,29.38 88.1,28.05 88.28,27.54 88.85,27.2 88.9,27.07 88.9,20 88.46,18.86 86.54,17.89 86.2,17.02 86.2,0.3 ; 24 cut-outs
GND on BOTTOM: 0.3,0.3 0.3,53.75 1.09,55.66 3,56.45 87.6,56.45 88.8,55.95 89.3,54.75 89.3,40.25 89.24,40.11 89.1,40.05 88.65,40.05 86.6,38 88.65,35.95 89.1,35.95 89.24,35.89 89.3,35.75 89.3,30.38 89.24,30.24 89.1,30.18 88.9,30.18 88.33,29.95 88.1,29.38 88.1,28.05 88.28,27.54 88.85,27.2 88.9,27.07 88.9,20 88.46,18.86 86.54,17.89 86.2,17.02 86.2,0.3 ; 16 cut-outs
GND on GND02, GND07, GND09: 0.3,0.3 0.3,53.75 1.09,55.66 3,56.45 87.6,56.45 88.8,55.95 89.3,54.75 89.3,40.25 89.24,40.11 89.1,40.05 88.65,40.05 86.6,38 88.65,35.95 89.1,35.95 89.24,35.89 89.3,35.75 89.3,30.38 89.24,30.24 89.1,30.18 88.9,30.18 88.33,29.95 88.1,29.38 88.1,28.05 88.28,27.54 88.85,27.2 88.9,27.07 88.9,20 88.46,18.86 86.54,17.89 86.2,17.02 86.2,0.3
GND on POWER04: 0.28,0.28 0.28,53.75 1.08,55.67 3,56.47 87.6,56.47 88.82,55.97 89.32,54.75 89.32,40.25 89.26,40.09 89.1,40.03 88.65,40.03 86.62,38 88.65,35.97 89.1,35.97 89.26,35.91 89.32,35.75 89.32,30.38 89.26,30.22 89.1,30.16 88.9,30.16 88.35,29.93 88.12,29.38 88.12,28.05 88.3,27.56 88.87,27.21 88.92,27.07 88.92,20 88.48,18.85 86.55,17.87 86.22,17.02 86.22,0.28
GND on POWER05: 0.28,0.28 0.28,53.75 1.08,55.67 3,56.47 87.6,56.47 88.82,55.97 89.32,54.75 89.32,40.25 89.26,40.09 89.1,40.03 88.65,40.03 86.62,38 88.65,35.97 89.1,35.97 89.26,35.91 89.32,35.75 89.32,30.38 89.26,30.22 89.1,30.16 88.9,30.16 88.35,29.93 88.12,29.38 88.12,28.05 88.3,27.56 88.87,27.21 88.92,27.07 88.92,20 88.48,18.85 86.55,17.87 86.22,17.02 86.22,0.28 ; 2 cut-outs
GND on S06: 0.3,0.3 0.3,53.75 1.09,55.66 3,56.45 87.6,56.45 88.8,55.95 89.3,54.75 89.3,40.25 89.24,40.11 89.1,40.05 88.65,40.05 86.6,38 88.65,35.95 89.1,35.95 89.24,35.89 89.3,35.75 89.3,30.38 89.24,30.24 89.1,30.18 88.9,30.18 88.33,29.95 88.1,29.38 88.1,28.05 88.28,27.54 88.85,27.2 88.9,27.07 88.9,20 88.46,18.86 86.54,17.89 86.2,17.02 86.2,0.3 ; 15 cut-outs
GND on S08: 0.28,0.28 0.28,53.75 1.08,55.67 3,56.47 87.6,56.47 88.82,55.97 89.32,54.75 89.32,40.25 89.26,40.09 89.1,40.03 88.65,40.03 86.62,38 88.65,35.97 89.1,35.97 89.26,35.91 89.32,35.75 89.32,30.38 89.26,30.22 89.1,30.16 88.9,30.16 88.35,29.93 88.12,29.38 88.12,28.05 88.3,27.56 88.87,27.21 88.92,27.07 88.92,20 88.48,18.85 86.55,17.87 86.22,17.02 86.22,0.28 ; 6 cut-outs
(no net) on S03: 0.28,0.28 0.28,53.75 1.08,55.67 3,56.47 87.6,56.47 88.82,55.97 89.32,54.75 89.32,40.25 89.26,40.09 89.1,40.03 88.65,40.03 86.62,38 88.65,35.97 89.1,35.97 89.26,35.91 89.32,35.75 89.32,30.38 89.26,30.22 89.1,30.16 88.9,30.16 88.35,29.93 88.12,29.38 88.12,28.05 88.3,27.56 88.87,27.21 88.92,27.07 88.92,20 88.48,18.85 86.55,17.87 86.22,17.02 86.22,0.28 ; 25 cut-outs

Small or netless copper shapes (teardrops, artwork), in the pictures only: 9 on TOP, 8 on BOTTOM, 5 on GND02, 9 on S03, 26 on S08, 1 on GND09

## Text on the board
Ref Des/Silkscreen Top: RK3588S_Tablet_Demo_LP4XD200P232SD10H2_V11_20220218
